# Altium PCB Archimajor.PcbDoc (part 12 of 12)
Units mm, origin at the board's own origin, x right, y up, seen from the top; angles counter-clockwise.
Board outline 190 x 140 mm, 6 copper layers (Top Layer, Top GND, Power Plane, Mid1, Bot GND, Bottom Layer), stack 1.776 mm thick; 1046 components, 682 nets, 3245 pads, 2865 vias.
Unrouted connection lines stored in the file: 97.
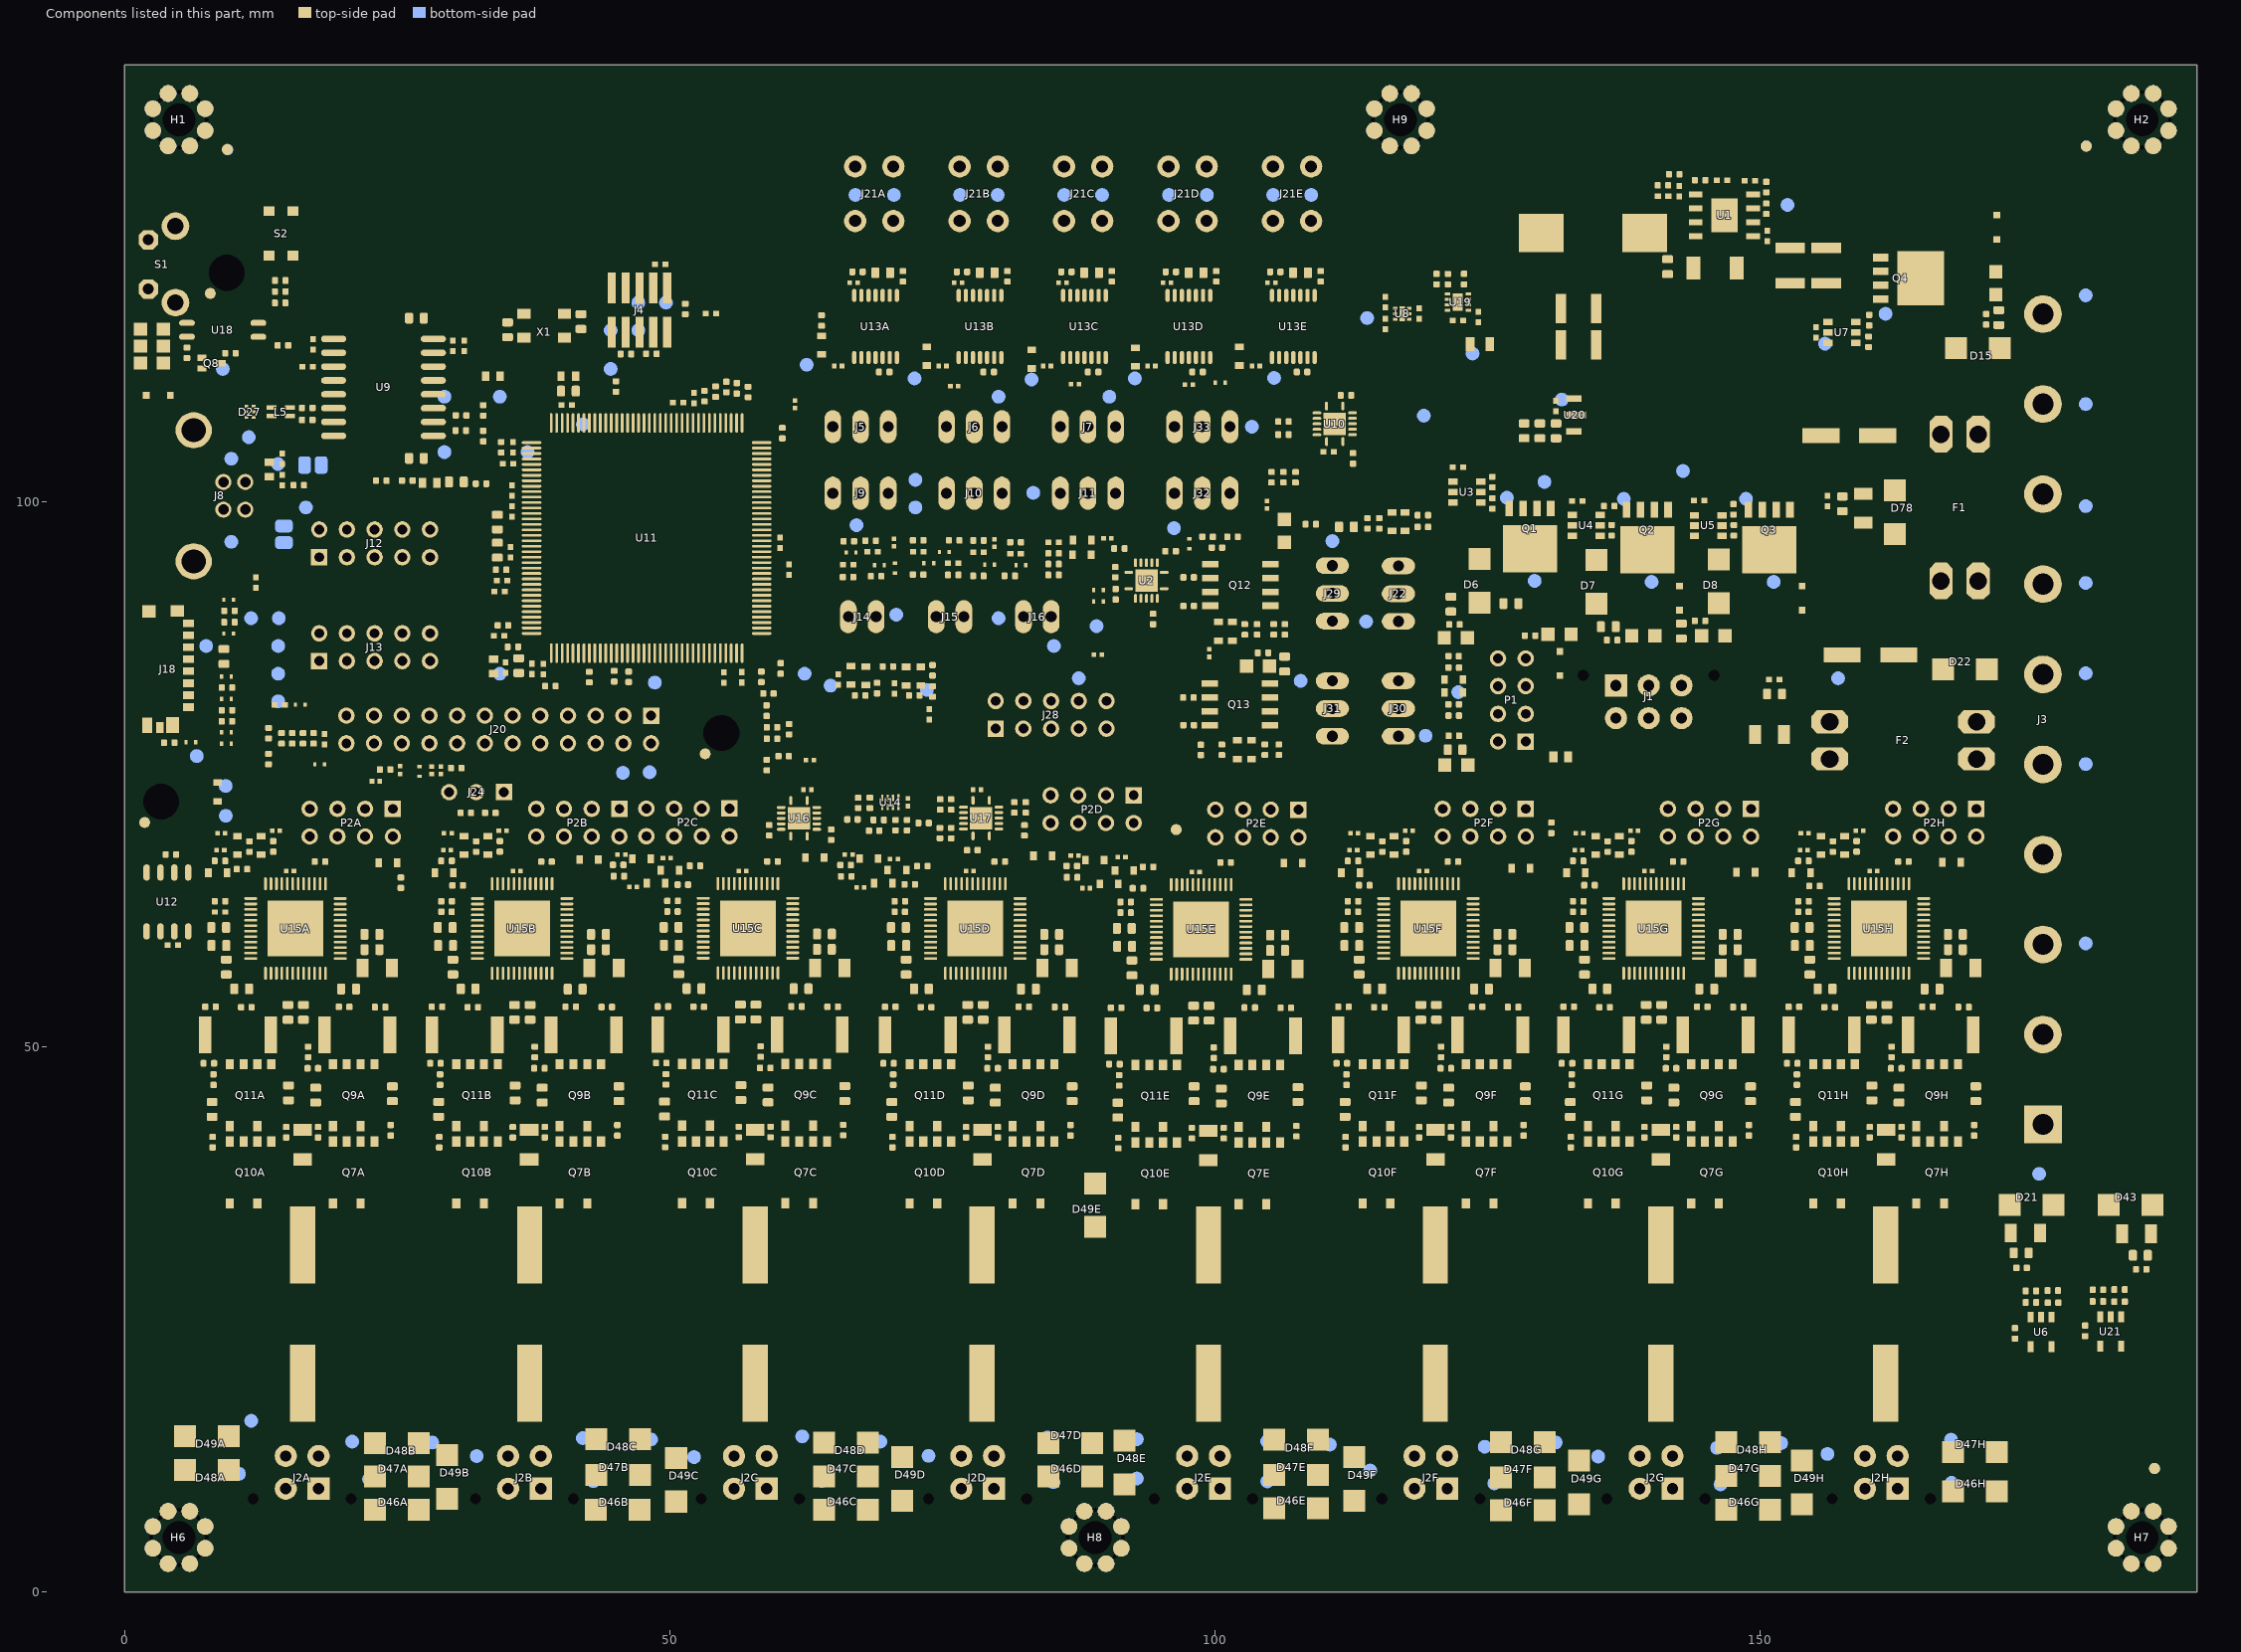
[diagram p16: the components of this part, seen from the top]

## Polygon pours and split planes (outlines as drawn) (continued)
GND on Bottom Layer "DirectConnect" (solid, remove dead copper, pour order 2656): 172.246,98.413 172.959,97.7 179.18,97.7 180.091,98.611 180.091,103.366 179.14,104.317 173.236,104.317 172.246,103.327
GND on Bottom Layer "DirectConnect" (solid, remove dead copper, pour order 2652): 172.246,48.863 172.959,48.15 179.18,48.15 180.091,49.061 180.091,53.816 179.14,54.767 173.236,54.767 172.246,53.777
GND on Bottom Layer "DirectConnect" (solid, remove dead copper, pour order 2646): 172.246,65.373 172.959,64.66 179.18,64.66 180.091,65.571 180.091,70.326 179.14,71.277 173.236,71.277 172.246,70.287
VBED_IN on Bottom Layer "NetF1_1 Fuse Top Pour" (solid, remove dead copper, pour order 2644): 162.855,93.645 162.855,90.257 163.984,89.128 180.309,89.128 181.577,90.396 181.577,95.725 180.765,96.537 164.241,96.537 162.874,95.17
GND on Bottom Layer "DirectConnect" (solid, remove dead copper, pour order 2640): 160.299,82.451 172.761,82.451 175.019,80.193 178.843,80.193 181.3,82.649 181.3,87.919 180.705,88.514 172.84,88.514 160.299,88.514
VPWR on Bottom Layer "DirectConnect" (solid, remove dead copper, pour order 2638): 18 vertices, not listed, extent 151.621,74.289 168.58,87.82
VPWR_IN on Bottom Layer "DirectConnect" (solid, remove dead copper, pour order 2636): 166.797,80.747 168.243,82.194 172.285,82.194 174.781,79.697 179.061,79.697 180.071,78.687 180.071,72.981 178.883,71.792 173.078,71.792 170.819,74.051 167.312,74.051 166.797,74.566
HTR3 on Bottom Layer "DirectConnect" (solid, remove dead copper, pour order 2603): 144.843,88.733 144.843,88.259 142.368,85.784 142.368,82.709 147.118,82.709 153.168,88.759
HTR2 on Bottom Layer "DirectConnect" (solid, remove dead copper, pour order 2605): 136.318,86.934 138.868,84.384 138.868,83.109 140.618,83.109 140.618,84.534 143.437,87.353 143.437,91.559 137.668,91.559 136.318,90.209
HTR1 on Bottom Layer "Direct Connect" (solid, remove dead copper, pour order 2602): 133.042,89.81 137.543,85.309 137.543,82.434 131.118,82.434 130.493,83.06 130.493,86.909 127.595,89.807
HTBD-OUT on Bottom Layer "DirectConnect" (solid, pour order 2332): 162.128,111.835 171.976,111.835 171.99,111.85 173.755,113.615 178.803,113.615 179.814,114.626 179.814,121.283 175.367,125.729 162.662,125.729 162.585,125.653 162.128,125.196
HTR3 on Bottom Layer "24milConnect" (solid, remove dead copper, pour order 2604): 149.431,143.283
HTR2 on Bottom Layer "DirectConnect" (solid, pour order 2334): 133.582,98.336 133.582,89.446 143.437,89.446 143.437,98.311 143.437,98.336
HTR1 on Bottom Layer "DirectConnect" (solid, pour order 2335): 122.837,98.438 122.837,87.934 133.074,87.934 133.074,98.438
SNTP on Bottom Layer "DirectConnect" (solid, pour order 2326): 109.875,108.143 109.875,105.884 112.134,105.884 112.134,108.143
OBAC on Bottom Layer "Direct Connect" (solid, remove dead copper, pour order 2572): 62.609,49.209 63.134,49.734 67.258,49.734 67.333,49.659 67.333,40.834 67.008,40.509 62.908,40.509 62.609,40.808
OBAB on Bottom Layer "Direct Connect" (solid, remove dead copper, pour order 2569): 41.901,49.185 42.426,49.71 46.55,49.71 46.625,49.635 46.625,40.81 46.3,40.485 42.2,40.485 41.901,40.784
OBBC on Bottom Layer "Direct Connect" (solid, remove dead copper, pour order 2564): 62.394,49.209 61.869,49.734 58.308,49.734 57.884,49.31 57.884,40.733 58.108,40.509 62.108,40.509 62.394,40.796
OBBB on Bottom Layer "Direct Connect" (solid, remove dead copper, pour order 2561): 41.686,49.185 41.161,49.71 37.6,49.71 37.176,49.286 37.176,40.709 37.4,40.485 41.4,40.485 41.686,40.771
OAAC on Bottom Layer "Direct Connect" (solid, remove dead copper, pour order 2556): 53.148,49.162 53.673,49.687 57.28,49.687 57.658,49.309 57.658,40.809 57.358,40.509 53.383,40.509 53.148,40.745
OAAB on Bottom Layer "Direct Connect" (solid, remove dead copper, pour order 2553): 32.44,49.138 32.965,49.663 36.572,49.663 36.95,49.285 36.95,40.785 36.65,40.485 32.675,40.485 32.44,40.72
OABC on Bottom Layer "Direct Connect" (solid, remove dead copper, pour order 2548): 52.933,49.209 52.408,49.734 47.308,49.734 46.783,49.209 46.783,40.659 46.933,40.509 52.708,40.509 52.933,40.734
OABB on Bottom Layer "Direct Connect" (solid, remove dead copper, pour order 2545): 32.225,49.185 31.7,49.71 26.6,49.71 26.075,49.185 26.075,40.635 26.225,40.485 32,40.485 32.225,40.71
OAAE on Bottom Layer "Direct Connect" (solid, remove dead copper, pour order 2555): 94.698,49.062 95.223,49.587 98.83,49.587 99.208,49.209 99.208,40.709 98.908,40.409 94.933,40.409 94.698,40.645
OBAE on Bottom Layer "Direct Connect" (solid, remove dead copper, pour order 2571): 104.159,49.109 104.684,49.634 108.808,49.634 108.883,49.559 108.883,40.734 108.558,40.409 104.458,40.409 104.159,40.708
OBAD on Bottom Layer "Direct Connect" (solid, remove dead copper, pour order 2570): 83.451,49.185 83.976,49.71 88.1,49.71 88.175,49.635 88.175,40.81 87.85,40.485 83.75,40.485 83.451,40.784
OBBE on Bottom Layer "Direct Connect" (solid, remove dead copper, pour order 2563): 103.944,49.109 103.419,49.634 99.858,49.634 99.434,49.21 99.434,40.633 99.658,40.409 103.658,40.409 103.944,40.696
OABE on Bottom Layer "Direct Connect" (solid, remove dead copper, pour order 2547): 94.483,49.109 93.958,49.634 88.858,49.634 88.333,49.109 88.333,40.559 88.483,40.409 94.258,40.409 94.483,40.634
OABD on Bottom Layer "Direct Connect" (solid, remove dead copper, pour order 2546): 73.775,49.185 73.25,49.71 68.15,49.71 67.625,49.185 67.625,40.635 67.775,40.485 73.55,40.485 73.775,40.71
OBAA on Bottom Layer "Direct Connect" (solid, remove dead copper, pour order 2576): 21.126,49.185 21.651,49.71 25.775,49.71 25.85,49.635 25.85,40.81 25.525,40.485 21.425,40.485 21.126,40.784
OABA on Bottom Layer "Direct Connect" (solid, remove dead copper, pour order 2552): 11.45,49.185 10.925,49.71 5.825,49.71 5.3,49.185 5.3,40.635 5.45,40.485 11.225,40.485 11.45,40.71
OBBA on Bottom Layer "Direct Connect" (solid, remove dead copper, pour order 2568): 20.911,49.185 20.386,49.71 16.825,49.71 16.401,49.286 16.401,40.709 16.625,40.485 20.625,40.485 20.911,40.771
OAAA on Bottom Layer "Direct Connect" (solid, remove dead copper, pour order 2560): 11.665,49.138 12.19,49.663 15.797,49.663 16.175,49.285 16.175,40.785 15.875,40.485 11.9,40.485 11.665,40.72
OABH on Bottom Layer "Direct Connect" (solid, remove dead copper, pour order 2551): 156.625,49.185 156.1,49.71 151,49.71 150.475,49.185 150.475,40.635 150.625,40.485 156.4,40.485 156.625,40.71
OBAH on Bottom Layer "Direct Connect" (solid, remove dead copper, pour order 2575): 166.301,49.185 166.826,49.71 170.95,49.71 171.025,49.635 171.025,42.678 168.832,40.485 166.6,40.485 166.301,40.784
OAAG on Bottom Layer "Direct Connect" (solid, remove dead copper, pour order 2558): 136.19,49.138 136.715,49.663 140.322,49.663 140.7,49.285 140.7,40.785 140.4,40.485 136.425,40.485 136.19,40.72
OBBG on Bottom Layer "Direct Connect" (solid, remove dead copper, pour order 2566): 145.436,49.185 144.911,49.71 141.35,49.71 140.926,49.286 140.926,40.709 141.15,40.485 145.15,40.485 145.436,40.771
OABG on Bottom Layer "Direct Connect" (solid, remove dead copper, pour order 2550): 135.975,49.185 135.45,49.71 130.35,49.71 129.825,49.185 129.825,40.635 129.975,40.485 135.75,40.485 135.975,40.71
OBAG on Bottom Layer "Direct Connect" (solid, remove dead copper, pour order 2574): 145.651,49.185 146.176,49.71 150.3,49.71 150.375,49.635 150.375,40.81 150.05,40.485 145.95,40.485 145.651,40.784
OAAF on Bottom Layer "Direct Connect" (solid, remove dead copper, pour order 2557): 115.54,49.138 116.065,49.663 119.672,49.663 120.05,49.285 120.05,40.785 119.75,40.485 115.775,40.485 115.54,40.72
OBBF on Bottom Layer "Direct Connect" (solid, remove dead copper, pour order 2565): 124.786,49.185 124.261,49.71 120.7,49.71 120.276,49.286 120.276,40.709 120.5,40.485 124.5,40.485 124.786,40.771
OABF on Bottom Layer "Direct Connect" (solid, remove dead copper, pour order 2549): 115.325,49.185 114.8,49.71 109.7,49.71 109.175,49.185 109.175,40.635 109.325,40.485 115.1,40.485 115.325,40.71
OBAF on Bottom Layer "Direct Connect" (solid, remove dead copper, pour order 2573): 125.001,49.185 125.526,49.71 129.65,49.71 129.725,49.635 129.725,40.81 129.4,40.485 125.3,40.485 125.001,40.784
OBBD on Bottom Layer "Direct Connect" (solid, remove dead copper, pour order 2562): 83.236,49.185 82.711,49.71 79.15,49.71 78.726,49.286 78.726,40.709 78.95,40.485 82.95,40.485 83.236,40.771
OAAD on Bottom Layer "Direct Connect" (solid, remove dead copper, pour order 2554): 73.99,49.138 74.515,49.663 78.122,49.663 78.5,49.285 78.5,40.785 78.2,40.485 74.225,40.485 73.99,40.72
OBAA on Bottom Layer "Direct Connect" (solid, remove dead copper, pour order 2544): 275.538,118.794
HTR3 on Bottom Layer "DirectConnect" (solid, pour order 2333): 154.587,98.336 149.355,98.336 147.958,99.733 144.783,99.733 144.783,88.109 154.587,88.109
GND on Bottom Layer "DirectConnect" (solid, pour order 2340): 153.236,98.489 149.609,98.489 149.609,100.724 153.236,100.724
GND on Bottom Layer "DirectConnect" (solid, pour order 2338): 131.854,98.641 127.663,98.641 127.663,100.876 131.88,100.876 131.88,98.641
GND on Bottom Layer "DirectConnect" (solid, pour order 2339): 142.066,98.488 138.408,98.488 138.408,100.724 142.066,100.724
GND on Bottom Layer "DirectConnect" (solid, pour order 2336): 161.807,125.123 159.496,125.123 159.496,119.112 161.807,119.112
HTBD-OUT on Mid1 "12milConnect" (solid, remove dead copper, pour order 2688): 172.789,113.635 178.823,113.635 179.768,114.58 179.768,121.273 175.337,125.704 172.818,125.704
VPWR on Mid1 "DirectConnect" (solid, remove dead copper, pour order 2686): 18 vertices, not listed, extent 151.621,74.289 168.58,87.82
GND on Mid1 "DirectConnect" (solid, remove dead copper, pour order 2684): 160.299,82.451 172.761,82.451 175.019,80.193 178.843,80.193 181.3,82.649 181.3,87.919 180.705,88.514 172.84,88.514 160.299,88.514
VPWR_IN on Mid1 "DirectConnect" (solid, remove dead copper, pour order 2682): 166.797,80.747 168.243,82.194 172.285,82.194 174.781,79.697 179.061,79.697 180.071,78.687 180.071,72.981 178.883,71.792 173.078,71.792 170.819,74.051 167.312,74.051 166.797,74.566
VBED_IN on Mid1 "NetF1_1 Fuse Top Pour" (solid, remove dead copper, pour order 2680): 162.855,93.645 162.855,90.257 163.984,89.128 180.309,89.128 181.577,90.396 181.577,95.725 180.765,96.537 164.241,96.537 162.874,95.17
GND on Mid1 "DirectConnect" (solid, remove dead copper, pour order 2676): 172.463,98.096 172.86,97.7 179.457,97.7 180.091,98.334 180.091,103.782 179.398,104.476 172.84,104.476 172.463,104.099
VBED on Mid1 "DirectConnect" (solid, remove dead copper, pour order 2674): 18 vertices, not listed, extent 155.584,100.123 180.289,112.724
GND on Mid1 "DirectConnect" (solid, remove dead copper, pour order 2672): 155.623,99.549 155.881,99.806 164.44,99.806 166.896,102.263 170.779,102.263 172.582,104.066 172.82,103.828 172.82,98.677 173.414,98.083 173.414,97.845 172.701,97.132 164.241,97.132 162.815,95.705 159.031,95.705 155.623,99.113
VPWR on Mid1 "12milConnect" (solid, remove dead copper, pour order 2609): 107.967,131.119
HTBD-OUT on Mid1 "DirectConnect" (solid, pour order 2353): 162.585,125.704 162.585,124.637 162.585,117.4 162.277,116.992 162.277,111.861 173.018,111.861 173.018,125.704 163.22,125.704
OABD on Mid1 "Direct Connect" (solid, remove dead copper, pour order 2499): 52.858,46.772 52.508,47.122 50.683,47.122 50.333,46.772 50.333,42.872 50.608,42.597 52.708,42.597 52.858,42.747
OBAD on Mid1 "Direct Connect" (solid, remove dead copper, pour order 2491): 65.158,46.784 64.808,47.134 62.983,47.134 62.633,46.784 62.633,42.884 62.908,42.609 65.008,42.609 65.158,42.759
OBAD on Mid1 "Direct Connect" (solid, remove dead copper, pour order 2490): 106.708,46.684 106.358,47.034 104.533,47.034 104.183,46.684 104.183,42.784 104.458,42.509 106.558,42.509 106.708,42.659
OABD on Mid1 "Direct Connect" (solid, remove dead copper, pour order 2498): 94.408,46.672 94.058,47.022 92.233,47.022 91.883,46.672 91.883,42.772 92.158,42.497 94.258,42.497 94.408,42.647
OABA on Mid1 "Direct Connect" (solid, remove dead copper, pour order 2503): 11.375,46.747 11.025,47.097 9.2,47.097 8.85,46.747 8.85,42.847 9.125,42.572 11.225,42.572 11.375,42.722
OBAA on Mid1 "Direct Connect" (solid, remove dead copper, pour order 2495): 23.675,46.76 23.325,47.11 21.5,47.11 21.15,46.76 21.15,42.86 21.425,42.585 23.525,42.585 23.675,42.735
OBAH on Mid1 "Direct Connect" (solid, remove dead copper, pour order 2494): 168.85,46.76 168.5,47.11 166.675,47.11 166.325,46.76 166.325,42.86 166.6,42.585 168.7,42.585 168.85,42.735
OABH on Mid1 "Direct Connect" (solid, remove dead copper, pour order 2502): 156.55,46.747 156.2,47.097 154.375,47.097 154.025,46.747 154.025,42.847 154.3,42.572 156.4,42.572 156.55,42.722
OBAG on Mid1 "Direct Connect" (solid, remove dead copper, pour order 2493): 148.2,46.76 147.85,47.11 146.025,47.11 145.675,46.76 145.675,42.86 145.95,42.585 148.05,42.585 148.2,42.735
OABG on Mid1 "Direct Connect" (solid, remove dead copper, pour order 2501): 135.9,46.747 135.55,47.097 133.725,47.097 133.375,46.747 133.375,42.847 133.65,42.572 135.75,42.572 135.9,42.722
OBAF on Mid1 "Direct Connect" (solid, remove dead copper, pour order 2492): 127.55,46.76 127.2,47.11 125.375,47.11 125.025,46.76 125.025,42.86 125.3,42.585 127.4,42.585 127.55,42.735
OABF on Mid1 "Direct Connect" (solid, remove dead copper, pour order 2500): 115.25,46.747 114.9,47.097 113.075,47.097 112.725,46.747 112.725,42.847 113,42.572 115.1,42.572 115.25,42.722
OABD on Mid1 "Direct Connect" (solid, remove dead copper, pour order 2497): 73.7,46.747 73.35,47.097 71.525,47.097 71.175,46.747 71.175,42.847 71.45,42.572 73.55,42.572 73.7,42.722
OBAD on Mid1 "Direct Connect" (solid, remove dead copper, pour order 2489): 86,46.76 85.65,47.11 83.825,47.11 83.475,46.76 83.475,42.86 83.75,42.585 85.85,42.585 86,42.735
OBAB on Mid1 "Direct Connect" (solid, remove dead copper, pour order 2488): 44.45,46.76 44.1,47.11 42.275,47.11 41.925,46.76 41.925,42.86 42.2,42.585 44.3,42.585 44.45,42.735
OABB on Mid1 "Direct Connect" (solid, remove dead copper, pour order 2496): 32.15,46.747 31.8,47.097 29.975,47.097 29.625,46.747 29.625,42.847 29.9,42.572 32,42.572 32.15,42.722
no net on Mid1 "Direct Connect" (solid, remove dead copper, pour order 2374): 130.359,175.108
no net on Mid1 "Direct Connect" (solid, remove dead copper, pour order 2373): 151.009,175.108
no net on Mid1 "Direct Connect" (solid, remove dead copper, pour order 2372): 171.659,175.108
no net on Mid1 "Direct Connect" (solid, remove dead copper, pour order 2371): 192.309,175.108
no net on Mid1 "Direct Connect" (solid, remove dead copper, pour order 2370): 210.035,101.558
no net on Mid1 "Direct Connect" (solid, remove dead copper, pour order 2369): 230.685,101.558
no net on Mid1 "Direct Connect" (solid, remove dead copper, pour order 2368): 251.335,101.558
HTR3 on Mid1 "DirectConnect" (solid, pour order 2352): 154.587,98.209 148.009,98.209 148.009,99.708 144.808,99.708 144.808,92.037 147.593,92.037 147.593,88.084 154.587,88.084
no net on Mid1 "Direct Connect" (solid, remove dead copper, pour order 2482): 253.672,86.979
no net on Mid1 "Direct Connect" (solid, remove dead copper, pour order 2391): 176.037,139.57
no net on Mid1 "Direct Connect" (solid, remove dead copper, pour order 2367): 271.985,101.558
HTR2 on Mid1 "DirectConnect" (solid, pour order 2351): 143.437,98.209 133.582,98.209 133.582,91.884 136.568,91.884 136.568,87.909 143.437,87.909 143.437,98.234
HTR1 on Mid1 "DirectConnect" (solid, pour order 2350): 131.854,98.311 122.837,98.311 122.837,92.088 125.868,92.088 125.868,87.934 133.074,87.934 133.074,95.847 131.854,95.847
no net on Top Overlay "Logo" (solid): 17 vertices, not listed, extent 20.374,131.781 22.942,134.356
GND on Top GND (split plane): 151 vertices, not listed, extent 0.256,0.256 189.744,139.744
USB_GND on Top GND (split plane): 21.765,116.37 21.765,104.183 20.444,102.861 13.56,95.978 11.756,94.173 2.245,94.173 2.245,110.552 9.572,110.552 9.638,110.561 9.7,110.586 9.753,110.627 12.522,113.396 16.46,117.334 20.801,117.334
HTR2 on Top GND (split plane): 142.167,93.527 137.028,93.527 137.028,98.194 142.167,98.194
HTR1 on Top GND (split plane): 131.41,93.628 126.272,93.628 126.272,98.296 131.41,98.296
HTR3 on Top GND (split plane): 153.343,93.527 148.204,93.527 148.204,98.194 153.343,98.194
OABA on Power Plane (split plane): 41 vertices, not listed, extent 6.755,7.89 16.182,47.131
GND on Power Plane (split plane): 41.996,19.135 36.675,13.814 32.13,18.359 32.13,28.267 41.996,28.267
GND on Power Plane (split plane): 21.221,18.832 16.305,13.916 11.355,18.867 11.355,27.95 21.221,27.95
OBAA on Power Plane (split plane): 50 vertices, not listed, extent 16.389,7.929 25.821,47.131
VMOT1 on Power Plane (split plane): 117 vertices, not listed, extent 5.514,28.157 25.821,64.299
OBAB on Power Plane (split plane): 49 vertices, not listed, extent 36.779,7.989 46.596,47.131
OABB on Power Plane (split plane): 43 vertices, not listed, extent 27.53,8.009 36.571,47.131
GND on Power Plane (split plane): 62.704,18.928 57.486,13.71 57.486,13.722 57.479,13.762 57.456,13.796 52.837,18.414 52.837,27.99 62.704,27.99
OABD on Power Plane (split plane): 44 vertices, not listed, extent 69.08,7.969 78.121,47.131
GND on Power Plane (split plane): 83.546,19.329 78.225,14.008 73.68,18.553 73.68,28.208 83.546,28.208
GND on Power Plane (split plane): 273 vertices, not listed, extent 1.526,1.526 188.474,57.373
OABC on Power Plane (split plane): 44 vertices, not listed, extent 48.237,8.009 57.279,47.156
OBAC on Power Plane (split plane): 49 vertices, not listed, extent 57.486,7.935 67.304,47.156
OBAD on Power Plane (split plane): 49 vertices, not listed, extent 78.329,7.969 88.146,47.131
OAAA on Power Plane (split plane): 14.372,47.042 14.372,42.878 14.196,42.701 11.642,42.701 11.642,47.131 14.283,47.131
OBBA on Power Plane (split plane): 20.934,42.435 18.646,42.435 18.204,42.878 18.204,47.042 18.293,47.131 20.934,47.131
OAAB on Power Plane (split plane): 35.147,47.042 35.147,42.878 34.971,42.701 32.417,42.701 32.417,47.131 35.058,47.131
VMOT1 on Power Plane (split plane): 113 vertices, not listed, extent 26.15,28.474 46.596,64.299
VDDOUT on Power Plane (split plane): 56 vertices, not listed, extent 38.127,86.136 58.292,112.796
OBBB on Power Plane (split plane): 41.709,42.435 39.421,42.435 38.979,42.878 38.979,47.042 39.068,47.131 41.709,47.131
OAAC on Power Plane (split plane): 55.855,47.066 55.855,42.902 55.678,42.725 53.125,42.725 53.125,47.156 55.766,47.156
OBBC on Power Plane (split plane): 62.417,42.416 60.173,42.416 59.686,42.902 59.686,47.066 59.776,47.156 62.417,47.156
OBBD on Power Plane (split plane): 83.259,42.46 83.267,42.42 83.27,42.416 80.991,42.416 80.529,42.878 80.529,47.042 80.618,47.131 83.259,47.131
OAAD on Power Plane (split plane): 76.697,47.042 76.697,42.878 76.521,42.701 73.967,42.701 73.967,47.131 76.608,47.131
3.3VCC on Power Plane (split plane): 333 vertices, not listed, extent 1.526,57.58 171.664,138.474
3.3VIO on Power Plane (split plane): 136 vertices, not listed, extent 32.585,82.389 61.764,116.234
VMOT1 on Power Plane (split plane): 112 vertices, not listed, extent 46.997,28.197 67.304,64.323
VMOT1 on Power Plane (split plane): 121 vertices, not listed, extent 67.656,28.415 88.146,64.299
GND on Power Plane (split plane): 104.254,19.11 98.951,13.807 94.387,18.37 94.387,27.93 104.254,27.93
OBAE on Power Plane (split plane): 49 vertices, not listed, extent 99.036,7.89 108.854,47.056
GND on Power Plane (split plane): 125.096,19.051 119.833,13.787 115.23,18.39 115.23,28.049 125.096,28.049
OABF on Power Plane (split plane): 44 vertices, not listed, extent 110.63,7.791 119.671,47.131
OABE on Power Plane (split plane): 41 vertices, not listed, extent 89.787,7.89 98.829,47.056
OBAF on Power Plane (split plane): 49 vertices, not listed, extent 119.879,7.791 129.696,47.131
OABG on Power Plane (split plane): 41 vertices, not listed, extent 131.28,7.989 140.322,47.131
GND on Power Plane (split plane): 145.747,19.18 140.425,13.859 135.88,18.404 135.88,27.891 145.747,27.891
OBAG on Power Plane (split plane): 49 vertices, not listed, extent 140.529,8.028 150.347,47.131
GND on Power Plane (split plane): 166.397,18.996 161.075,13.674 156.53,18.22 156.53,28.148 166.397,28.148
VPWR on Power Plane (split plane): 41 vertices, not listed, extent 122.773,19.957 188.474,138.474
VMOT2 on Power Plane (split plane): 114 vertices, not listed, extent 130.039,28.098 150.347,64.299
OABH on Power Plane (split plane): 44 vertices, not listed, extent 151.93,7.949 160.972,47.131
OBAH on Power Plane (split plane): 52 vertices, not listed, extent 161.179,7.989 170.997,47.131
OAAE on Power Plane (split plane): 97.405,46.966 97.405,42.802 97.228,42.625 94.675,42.625 94.675,47.056 97.316,47.056
OBBE on Power Plane (split plane): 103.967,42.317 101.722,42.317 101.236,42.802 101.236,46.966 101.326,47.056 103.967,47.056
OAAF on Power Plane (split plane): 118.247,47.042 118.247,42.878 118.071,42.701 115.517,42.701 115.517,47.131 118.158,47.131
VMOT2 on Power Plane (split plane): 117 vertices, not listed, extent 88.547,28.138 108.854,64.223
VMOT2 on Power Plane (split plane): 113 vertices, not listed, extent 109.242,28.256 129.696,64.299
OBBF on Power Plane (split plane): 124.809,42.455 122.501,42.455 122.079,42.878 122.079,47.042 122.168,47.131 124.809,47.131
HTR1 on Power Plane (split plane): 131.41,93.628 126.272,93.628 126.272,98.296 131.41,98.296
OBBG on Power Plane (split plane): 145.459,42.416 143.191,42.416 142.729,42.878 142.729,47.042 142.818,47.131 145.459,47.131
OAAG on Power Plane (split plane): 138.898,47.042 138.898,42.878 138.721,42.701 136.167,42.701 136.167,47.131 138.808,47.131
OBBH on Power Plane (split plane): 166.109,42.445 166.111,42.435 163.821,42.435 163.379,42.878 163.379,47.042 163.468,47.131 166.109,47.131
OAAH on Power Plane (split plane): 159.548,47.042 159.548,42.878 159.371,42.701 156.817,42.701 156.817,47.131 159.458,47.131
HTR2 on Power Plane (split plane): 142.167,93.527 137.028,93.527 137.028,98.194 142.167,98.194
HTR3 on Power Plane (split plane): 153.343,93.527 148.204,93.527 148.204,98.194 153.343,98.194
VMOT2 on Power Plane (split plane): 118 vertices, not listed, extent 150.689,28.356 170.997,64.299
HTBD-OUT on Power Plane (split plane): 171.244,113.557 171.244,112.529 162.249,112.529 162.249,117.092 162.424,117.267 162.465,117.32 162.49,117.382 162.499,117.448 162.499,125.58 171.244,125.58
GND on Bot GND (split plane): 44 vertices, not listed, extent 0.51,0.51 189.49,139.49
USB_GND on Bot GND (split plane): 21.765,116.37 21.765,104.183 20.444,102.861 13.56,95.978 11.59,94.008 2.237,94.008 2.237,110.552 9.572,110.552 9.638,110.561 9.7,110.586 9.753,110.627 12.522,113.396 16.46,117.334 20.801,117.334
HTR1 on Bot GND (split plane): 131.41,93.628 126.272,93.628 126.272,98.296 131.41,98.296
HTR2 on Bot GND (split plane): 142.167,93.527 137.028,93.527 137.028,98.194 142.167,98.194
HTR3 on Bot GND (split plane): 153.343,93.527 148.204,93.527 148.204,98.194 153.343,98.194
HTBD-OUT on Bot GND (split plane): 172.743,124.344 172.743,115.107 172.743,112.549 162.232,112.549 162.232,117.089 162.574,117.431 162.615,117.484 162.64,117.546 162.649,117.612 162.649,124.148 162.649,125.267 172.743,125.267

## Other copper
Top Layer:
  rectangle net GND: 12.448,57.601 18.898,64.001
  rectangle net GND: 33.223,57.601 39.673,64.001
  rectangle net GND: 53.93,57.625 60.38,64.025
  rectangle net GND: 74.773,57.601 81.223,64.001
  rectangle net GND: 95.48,57.525 101.93,63.925
  rectangle net GND: 116.323,57.601 122.773,64.001
  rectangle net GND: 136.973,57.601 143.423,64.001
  rectangle net GND: 157.623,57.601 164.073,64.001
  region net +5VCC: 122.757,115.366 123.15,114.973 123.745,114.973 123.745,113.516 120.75,113.516 120.75,115.366
  region net GND: 137.242,106.081 137.242,109.881 134.167,109.881 134.167,106.081
  pour cut-out: 1.275,89.106 1.275,80.656 4.925,80.656 4.925,89.106
Bottom Layer:
  rectangle net SNTP1: 92.773,91.89 94.557,93.594
Bot GND (plane layer: these items are gaps in the copper):
  rectangle: 62.817,117.107 111.941,140.368
  lines w0.508: 62.843,117.361 62.843,134.328 ; 73.489,118.527 73.489,134.353 ; 83.114,118.457 83.114,134.328 ; 92.423,117.785 92.423,133.656 ; 102.073,117.785 102.073,133.655 ; 111.966,117.361 112.017,117.411 112.015,134.329 ; 1.981,93.751 11.696,93.751 13.741,95.797 20.625,102.68 22.021,104.077 22.021,116.476 20.907,117.59 16.942,117.59 16.354,117.59 12.34,113.577 9.572,110.808 1.981,110.808 1.981,93.751 ; 126.015,93.372 131.666,93.372 131.666,98.552 126.015,98.552 126.015,93.372 ; 136.772,93.27 142.423,93.27 142.423,98.45 136.772,98.45 136.772,93.27 ; 147.948,93.271 153.599,93.271 153.599,98.45 147.948,98.45 147.948,93.271 ; 161.976,112.293 172.999,112.293 172.999,115.107 172.999,124.344 172.999,125.523 162.393,125.523 162.393,124.148 162.393,117.612 161.976,117.195 161.976,112.293
Power Plane (plane layer: these items are gaps in the copper):
  rectangle: 62.844,133.216 111.878,140.21
  lines w0.203: 0.04,57.476 6.843,57.476 ; 11.25,30.249 11.25,28.054 21.325,28.054 21.325,18.789 16.285,13.75 16.285,8.4 16.86,7.826 19.198,7.826 25.925,14.553 25.925,23.085 25.925,61.385 25.146,62.164 23.025,64.285 22.908,64.402 11.481,64.402 10.679,63.601 9.133,63.601 8.661,64.072 6.843,64.072 6.843,50.519 5.41,49.086 5.41,48.781 5.41,42.8 6.651,41.559 ; 11.538,47.235 11.538,42.597 ; 21.037,42.435 21.037,47.235 ; 21.336,27.677 21.336,32.549 21.337,32.547 23.1,34.31 23.1,39.685 23.1,40.535 21.175,42.46 21.047,42.332 18.603,42.332 18.1,42.835 18.1,47.085 18.25,47.235 23.825,47.235 23.95,47.11 23.95,44.41 23.8,44.26 23.8,43.06 24.175,42.685 25.925,42.685 ; 32.025,30.249 32.025,28.456 32.11,28.371 42.1,28.371 42.1,19.092 36.675,13.667 ; 32.313,47.235 32.313,42.597 ; 36.675,13.624 36.675,8.403 36.177,7.905 34.017,7.905 27.426,14.496 27.426,41.559 ; 41.812,42.435 41.812,47.235 ; 42.111,27.598 42.111,32.549 42.112,32.547 43.875,34.31 43.875,39.685 43.875,40.535 41.95,42.46 41.822,42.332 39.378,42.332 38.875,42.835 38.875,47.085 39.025,47.235 44.6,47.235 44.725,47.11 44.725,44.41 44.575,44.26 44.575,43.06 44.95,42.685 46.7,42.685 ; 52.733,30.273 52.733,28.093 62.808,28.093 62.808,18.885 57.383,13.46 57.383,8.447 56.841,7.905 54.701,7.905 48.134,14.472 48.134,41.583 ; 53.021,47.259 53.021,42.622 ; 62.52,42.398 62.52,47.259 ; 62.819,27.341 62.819,32.573 62.82,32.572 64.583,34.334 64.583,39.709 64.583,40.559 62.658,42.484 62.486,42.312 60.13,42.312 59.583,42.859 59.583,47.109 59.733,47.259 65.308,47.259 65.433,47.134 65.433,44.434 65.283,44.284 65.283,43.084 65.658,42.709 67.408,42.709 ; 73.575,30.249 73.575,28.311 83.65,28.311 83.65,19.286 78.225,13.861 ; 73.863,47.235 73.863,42.597 ; 83.362,42.46 83.362,47.235 ; 83.661,27.36 83.661,32.549 83.662,32.547 85.425,34.31 85.425,39.685 85.425,40.535 83.5,42.46 83.352,42.312 80.948,42.312 80.425,42.835 80.425,47.085 80.575,47.235 86.15,47.235 86.275,47.11 86.275,44.41 86.125,44.26 86.125,43.06 86.5,42.685 88.25,42.685 ; 94.283,30.173 94.283,28.034 104.358,28.034 104.358,19.067 98.933,13.642 98.933,8.202 99.349,7.786 101.576,7.786 108.958,15.168 108.958,23.009 108.958,61.309 108.179,62.088 106.058,64.209 105.94,64.327 94.514,64.327 93.988,63.801 91.273,63.801 91.077,63.997 89.94,63.997 89.434,63.491 89.434,62.417 88.443,61.426 88.443,48.706 88.443,42.724 89.684,41.483 ; 94.571,47.159 94.571,42.522 ; 104.07,42.317 104.07,47.159 ; 104.369,28.054 104.369,32.473 104.37,32.472 106.133,34.234 106.133,39.609 106.133,40.459 104.208,42.384 104.036,42.213 101.679,42.213 101.133,42.759 101.133,47.009 101.283,47.159 106.858,47.159 106.983,47.034 106.983,44.334 106.833,44.184 106.833,42.984 107.208,42.609 108.958,42.609 ; 115.125,30.249 115.125,28.153 125.2,28.153 125.2,19.008 119.775,13.583 119.775,8.389 120.477,7.687 122.319,7.687 129.8,15.168 129.8,23.085 129.8,61.385 129.021,62.164 126.9,64.285 126.783,64.402 115.356,64.402 115.026,64.072 112.536,64.072 110.819,64.072 110.276,63.529 110.276,62.479 109.138,61.341 109.138,48.634 109.138,42.947 110.526,41.559 ; 115.413,47.235 115.413,42.597 ; 124.912,42.352 124.912,47.235 ; 125.211,28.074 125.211,32.549 125.212,32.547 126.975,34.31 126.975,39.685 126.975,40.535 125.05,42.46 124.942,42.352 122.458,42.352 121.975,42.835 121.975,47.085 122.125,47.235 127.7,47.235 127.825,47.11 127.825,44.41 127.675,44.26 127.675,43.06 128.05,42.685 129.8,42.685 ; 135.775,30.249 135.775,27.994 145.85,27.994 145.85,19.137 140.425,13.712 ; 136.064,47.235 136.064,42.597 ; 145.563,42.371 145.563,47.235 ; 145.861,27.816 145.861,32.549 145.863,32.547 147.625,34.31 147.625,39.685 147.625,40.535 145.7,42.46 145.552,42.312 143.148,42.312 142.625,42.835 142.625,47.085 142.775,47.235 148.35,47.235 148.475,47.11 148.475,44.41 148.325,44.26 148.325,43.06 148.7,42.685 150.45,42.685 ; 156.425,30.249 156.425,28.252 166.5,28.252 166.5,18.953 161.075,13.528 ; 156.714,47.235 156.714,42.597 ; 166.213,47.235 166.213,42.445 166.274,42.384 166.35,42.46 168.275,40.535 168.275,39.685 168.275,34.31 166.513,32.547 166.511,32.549 166.511,28.113 ; 166.222,42.332 163.779,42.332 163.275,42.835 163.275,47.085 163.425,47.235 169,47.235 169.125,47.11 169.125,44.41 168.975,44.26 168.975,43.06 169.35,42.685 171.1,42.685 ; 171.1,20.96 172.207,19.853 189.875,19.853 ; 6.651,41.559 6.949,41.559 8.626,43.236 8.626,47.11 8.751,47.235 14.326,47.235 14.476,47.085 14.476,42.835 14.238,42.597 11.538,42.597 ; 6.651,41.559 6.651,14.726 13.591,7.786 15.453,7.786 16.305,8.638 16.305,13.769 11.251,18.824 11.251,31.809 9.476,33.584 9.476,39.685 9.476,40.535 11.401,42.46 11.538,42.597 ; 27.426,41.559 26.047,42.938 26.047,48.643 26.047,61.326 27.176,62.455 27.176,63.404 27.844,64.072 29.436,64.072 31.394,64.072 31.724,64.402 43.683,64.402 43.8,64.285 45.921,62.164 46.7,61.385 46.7,23.085 46.7,15.1 39.485,7.885 37.207,7.885 36.675,8.417 36.675,13.667 ; 27.426,41.559 27.724,41.559 29.401,43.236 29.401,47.11 29.526,47.235 35.101,47.235 35.251,47.085 35.251,42.835 35.013,42.597 32.313,42.597 ; 32.313,42.597 32.176,42.46 30.251,40.535 30.251,39.685 30.251,33.584 32.026,31.809 32.026,18.316 36.675,13.667 ; 48.134,41.583 46.893,42.824 46.893,48.806 46.893,61.42 47.884,62.41 47.884,63.305 48.675,64.097 50.144,64.097 52.633,64.097 52.964,64.427 64.39,64.427 64.508,64.309 66.629,62.188 67.408,61.409 67.408,23.109 67.408,15.144 60.096,7.832 58.004,7.832 57.383,8.452 57.383,13.722 52.734,18.371 52.734,31.833 50.959,33.608 50.959,39.709 50.959,40.559 52.884,42.484 53.021,42.622 ; 48.134,41.583 48.432,41.583 50.109,43.26 50.109,47.134 50.234,47.259 55.809,47.259 55.959,47.109 55.959,42.859 55.721,42.622 53.021,42.622 ; 68.976,41.559 67.553,42.982 67.553,48.599 67.553,61.256 68.726,62.429 68.726,63.254 69.544,64.072 70.477,64.072 70.723,63.826 73.229,63.826 73.806,64.402 85.233,64.402 85.35,64.285 87.471,62.164 88.25,61.385 88.25,23.085 88.25,14.946 81.17,7.865 78.713,7.865 78.225,8.353 78.225,13.861 ; 68.976,41.559 68.976,14.433 75.543,7.865 77.782,7.865 78.225,8.308 78.225,13.861 ; 68.976,41.559 69.274,41.559 70.951,43.236 70.951,47.11 71.076,47.235 76.651,47.235 76.801,47.085 76.801,42.835 76.563,42.597 73.863,42.597 ; 73.863,42.597 73.726,42.46 71.801,40.535 71.801,39.685 71.801,33.584 73.576,31.809 73.576,18.51 78.225,13.861 ; 89.684,41.483 89.684,14.428 96.326,7.786 98.545,7.786 98.933,8.174 98.933,13.679 94.284,18.328 94.284,31.733 92.509,33.508 92.509,39.609 92.509,40.459 94.434,42.384 94.571,42.522 ; 89.684,41.483 89.982,41.483 91.659,43.16 91.659,47.034 91.784,47.159 97.359,47.159 97.509,47.009 97.509,42.759 97.271,42.522 94.571,42.522 ; 110.526,41.559 110.526,14.151 116.99,7.687 119.03,7.687 119.775,8.432 119.775,13.698 115.126,18.347 115.126,31.809 113.351,33.584 113.351,39.685 113.351,40.535 115.276,42.46 115.413,42.597 ; 110.526,41.559 110.824,41.559 112.501,43.236 112.501,47.11 112.626,47.235 118.201,47.235 118.351,47.085 118.351,42.835 118.113,42.597 115.413,42.597 ; 131.176,41.559 129.935,42.8 129.935,48.781 129.935,61.39 130.926,62.381 130.926,63.429 131.569,64.072 133.187,64.072 135.676,64.072 136.006,64.402 147.433,64.402 147.55,64.285 149.671,62.164 150.45,61.385 150.45,23.085 150.45,15.114 143.261,7.925 141.022,7.925 140.425,8.521 140.425,13.712 ; 131.176,41.559 131.176,14.422 137.713,7.885 139.754,7.885 140.425,8.557 140.425,13.712 ; 131.176,41.559 131.474,41.559 133.151,43.236 133.151,47.11 133.276,47.235 138.851,47.235 139.001,47.085 139.001,42.835 138.764,42.597 136.064,42.597 ; 136.064,42.597 135.926,42.46 134.001,40.535 134.001,39.685 134.001,33.584 135.776,31.809 135.776,18.361 140.425,13.712 ; 151.826,41.559 150.586,42.8 150.586,48.781 150.586,61.417 151.576,62.407 151.576,63.529 152.248,64.201 153.708,64.201 156.455,64.201 156.656,64.402 168.083,64.402 168.2,64.285 170.321,62.164 171.1,61.385 171.1,23.085 171.1,15.259 163.726,7.885 161.591,7.885 161.075,8.401 161.075,13.528 ; 151.826,41.559 151.826,14.436 158.417,7.846 160.576,7.846 161.075,8.345 161.075,13.528 ; 151.826,41.559 152.124,41.559 153.801,43.236 153.801,47.11 153.926,47.235 159.501,47.235 159.651,47.085 159.651,42.835 159.414,42.597 156.714,42.597 ; 156.714,42.597 156.576,42.46 154.651,40.535 154.651,39.685 154.651,33.584 156.426,31.809 156.426,18.177 161.075,13.528
  lines w0.254: 0.254,98.413 0.254,104.382
  lines w0.305: 32.431,91.763 32.431,85.6 33.785,85.6 33.785,82.235 51.069,82.235 51.2,82.366 56.816,82.366 56.816,85.967 ; 32.583,91.89 33.68,91.89 33.68,99.091 35.427,99.091 35.427,100.766 33.68,100.766 33.68,116.387 45.884,116.387 ; 40.582,107.19 39.683,107.19 39.683,103.564 37.983,103.564 37.973,103.574 37.973,85.983 58.446,85.983 58.446,89.831 ; 40.6,107.21 40.6,112.95 43.36,112.95 43.85,112.46 43.85,106.516 53.819,106.516 54.925,105.41 54.925,98.152 58.263,94.814 58.421,94.814 59.251,93.984 61.918,93.984 61.918,95.359 60.543,96.734 60.543,98.284 58.875,99.952 58.875,109.46 57.733,110.602 54.47,110.602 54.47,111.608 52.503,111.608 50.634,111.608 50.081,111.055 47.019,111.055 45.884,112.19 45.884,117.387 ; 58.421,94.735 43.65,94.735 42.075,93.16 42.075,90.66 42.9,89.835 58.45,89.835
  lines w0.406: 123.052,140.348 123.052,122.475 126.084,119.444 126.084,106.644 122.568,103.128 122.568,76.162 125.036,73.694 170.385,73.694 171.869,72.21 171.869,62.154 171.1,61.385
  lines w0.508: 62.815,115.862 62.815,140.17 ; 73.411,118.178 73.411,140.368 ; 83.036,118.078 83.036,140.269 ; 92.586,118.123 92.586,140.328 ; 102.236,118.123 102.236,140.19 ; 111.749,116.612 111.749,140.17 ; 136.772,93.27 142.423,93.27 ; 136.772,93.27 136.772,98.45 ; 136.772,93.27 142.423,93.27 ; 136.772,93.27 136.772,98.45 ; 136.772,98.45 142.423,98.45 ; 136.772,98.45 142.423,98.45 ; 142.423,93.27 142.423,98.45 ; 142.423,93.27 142.423,98.45 ; 126.015,93.372 126.015,98.552 131.666,98.552 131.666,93.372 126.015,93.372 ; 147.948,93.271 153.599,93.271 153.599,98.45 147.948,98.45 147.948,93.271 ; 161.993,112.273 161.993,117.198 162.243,117.448 162.243,125.836 171.5,125.836 171.5,113.557 171.5,112.273 161.993,112.273
Top GND (plane layer: these items are gaps in the copper):
  circle w0.965: c11.379,105.893 r0.163
  circle w0.965: c9.804,103.886 r0.163
  rectangle: 62.844,133.216 111.878,140.21
  lines w0.508: 1.988,110.781 1.988,93.917 11.862,93.917 13.741,95.797 20.625,102.68 22.021,104.077 22.021,116.476 20.907,117.59 16.942,117.59 16.354,117.59 12.34,113.577 9.572,110.808 1.988,110.808 ; 62.84,115.735 62.84,140.11 ; 72.54,112.309 72.54,115.359 73.565,116.384 ; 73.565,116.41 73.565,140.269 ; 82.14,112.31 82.14,115.404 ; 82.14,115.379 83.165,116.404 83.165,140.269 ; 91.449,111.612 91.449,114.706 92.474,115.731 92.474,140.289 ; 101.099,111.612 101.099,114.706 102.124,115.731 102.124,140.15 ; 110.749,111.38 110.749,115.162 110.965,115.379 111.99,116.404 111.99,140.051 ; 126.015,93.372 126.015,98.552 131.666,98.552 131.666,93.372 126.015,93.372 ; 136.772,93.27 136.772,98.45 142.423,98.45 142.423,93.27 136.772,93.27 ; 147.948,93.271 147.948,98.45 153.599,98.45 153.599,93.271 147.948,93.271

## Silkscreen, mask and mechanical layers (free items; w line width, h text height)
Top Overlay:
  circle w0.305: c109.347,116.129 r0.152
  circle w0.305: c99.771,116.129 r0.152
  circle w0.305: c90.196,116.129 r0.152
  circle w0.305: c80.836,116.826 r0.152
  circle w0.305: c109.003,115.024 r0.152
  circle w0.305: c99.427,115.024 r0.152
  circle w0.305: c89.851,115.024 r0.152
  circle w0.305: c80.492,115.722 r0.152
  circle w0.305: c108.173,117.405 r0.152
  circle w0.305: c98.597,117.405 r0.152
  circle w0.305: c89.021,117.405 r0.152
  circle w0.305: c79.662,118.103 r0.152
  circle w0.127: c1.975,111.676 r0.127
  circle w0.305: c71.26,116.801 r0.152
  circle w0.127: c21.649,133.081 r1.293
  circle w0.61: c63.373,85.875 r0.254
  circle w0.127: c21.507,133.219 r1.067
  rectangle: 33.859,124.761 61.324,133.19
  lines w0.127: 28.546,102.404 28.877,102.799
  lines w0.254: -3.8,94.601 11.125,94.601 ; -3.8,106.426 11.975,106.426 11.975,94.601
  text "THERMOCOUPLES" at 81.175,136.15 h1.91
  text "Archimajor" at 20.498,135.776 h2.54
  text "1" at 68.4,134.45 h1.91
  text "2" at 77.875,134.45 h1.91
  text "3" at 87.475,134.45 h1.91
  text "4" at 96.975,134.45 h1.91
  text "5" at 106.7,134.45 h1.91
  text ".projectBoardVersion" at 29.948,134.401 h1.4
  text "UltiMachine" at 23.999,132.856 h1.78
  text "U" at 20.899,132.481 h2.29
  text "RESET" at 1.773,126.951 h1.91
  text "-" at 70.214,121.52 h1.91
  text "+" at 66.846,121.421 h1.91
  text "-" at 89.312,121.421 h1.91
  text "-" at 98.921,121.421 h1.91
  text "-" at 108.451,121.402 h1.91
  text "-" at 79.743,121.362 h1.91
  text "+" at 85.944,121.322 h1.91
  text "+" at 95.553,121.322 h1.91
  text "+" at 105.083,121.302 h1.91
  text "+" at 76.375,121.263 h1.91
  text "ERASE" at 15.423,120.776 h1.91
  text "PWR" at 0.548,116.905 h0.64
  text "R" at 4.384,114.604 h0.76
  text "T" at 4.329,113.016 h0.76
  text "MIN" at 61.853,110.188 h2.29 r90
  text "+  BED OUT  -" at 188.67,108.615 h1.91 r90
  text "HEATBED" at 164.103,104.383 h1.91 r90
  text "END" at 60.722,102.907 h1.52 r90
  text "STOPS" at 61.847,102.157 h1.52 r90
  text "FANS" at 111.839,101.51 h1.91
  text "SC1" at 18.557,100.931 h1.27
  text "1        2" at 110.927,100.064 h1.91
  text "MAX" at 61.714,97.548 h2.18 r90
  text "1-4" at 61.123,95.026 h2.29
  text "+  BED IN  -" at 188.653,92.526 h1.91 r90
  text "1-3" at 63.609,87.909 h2.29 r90
  text "SC2" at 12.382,82.831 h1.27 r90
  text "GPIO" at 46.132,82.031 h1.02
  text "THERMISTOR" at 61.973,81.551 h1.91 r90
  text "SERIAL" at 68.966,76.131 h1.91
  text "1   2   3" at 136.861,75.913 h1.91
  text "+  VPWR  -" at 188.653,75.874 h1.91 r90
  text "3        4" at 111.225,74.348 h1.91
  text "MOSFETs" at 136.386,74.269 h1.91
  text "HEATERS" at 151.918,73.139 h1.91
  text "FANS" at 111.977,72.922 h1.91
  text "+  MOT2  -" at 188.67,59.554 h1.91 r90
  text "+  MOT1  -" at 188.67,43.17 h1.91 r90
  text "5" at 98.475,4.417 h1.91
  text "7" at 140.1,4.417 h1.91
  text "1" at 15.95,4.4 h1.91
  text "2" at 36.2,4.4 h1.91
  text "3" at 56.925,4.4 h1.91
  text "4" at 77.675,4.4 h1.91
  text "6" at 119.375,4.4 h1.91
  text "8" at 160.6,4.4 h1.91
  text "STEPPER MOTORS" at 11.327,2.422 h1.91
Bottom Overlay:
  text "TMS/SWDIO" at 49.352,119.143 h0.51 r270
  text "3.3VCC" at 112.195,118.549 h0.51 r270
  text "SWO/TDO" at 45.429,118.133 h0.76 r270
  text "HTBD OUT -" at 188.656,116.904 h0.76
  text "TDI" at 41.863,114.903 h0.76 r270
  text "5V0_AUX" at 133.117,111.614 h0.51
  text "Ymin" at 81.782,110.481 h0.51
  text "VDDOUT" at 45.865,109.594 h0.51
  text "TCK/SWCLK" at 48.123,109.435 h0.76 r270
  text "Z-MIN" at 89.248,108.951 h0.76
  text "X-MIN" at 72.282,108.881 h0.76
  text "Y-MIN" at 79.368,108.887 h0.76
  text "VDDPLL" at 39.85,108.876 h0.51 r270
  text "HTBD OUT +" at 188.656,108.524 h0.76
  text "3.3VIO" at 36.65,108.076 h0.51
  text "3.3V" at 31.523,107.026 h0.51
  text "-" at 99.139,104.086 h1.02
  text "+" at 96.623,104.066 h1.02
  text "RESET" at 43.032,103.67 h0.76 r270
  text "Xmin" at 73.507,103.256 h0.51
  text "-" at 99.1,102.422 h1.02
  text "+" at 101.655,102.422 h1.02
  text "Zmax" at 83.998,101.976 h0.51
  text "GND" at 183.324,100.302 h0.76
  text "Y-MAX" at 79.9,98.101 h0.76
  text "Z-MAX" at 90.321,97.95 h0.76
  text "X-MAX" at 69.368,97.88 h0.76
  text "Ymax" at 73.632,97.806 h0.51
  text "VUSB" at 17.725,95.851 h0.51
  text "Xmax" at 65.682,95.206 h0.51
  text "VIN BED" at 186.244,92.021 h0.76
  text "TC4" at 97.432,90.056 h0.51
  text "MCCK" at 16.907,89.156 h0.51
  text "MCDA1" at 10.257,88.431 h0.51
  text "ERASE" at 92.7,87.107 h0.51
  text "TC1" at 71.719,87.048 h0.51
  text "TC2" at 80.682,86.881 h0.51
  text "TC3" at 88.207,86.531 h0.51
  text "MCCDA" at 17.382,86.431 h0.51
  text "MCDA0" at 10.632,85.806 h0.51
  text "VDD ANA" at 37.532,85.431 h0.51
  text "MCDA3" at 13.007,84.031 h0.51
  text "THERM3" at 75.504,83.917 h0.51
  text "TC2" at 61.182,83.856 h0.51
  text "THERM1" at 68.53,83.798 h0.51
  text "GND" at 183.324,83.679 h0.76
  text "5V" at 87.007,82.956 h0.76 r270
  text "GND" at 89.607,82.906 h0.76 r270
  text "UTXD" at 79.432,82.856 h0.76 r270
  text "nRST" at 84.532,82.856 h0.76 r270
  text "URXD" at 81.957,82.681 h0.76 r270
  text "MCDA2" at 17.482,81.106 h0.51
  text "5V" at 81.982,76.306 h0.76 r270
  text "GND" at 79.507,75.981 h0.76 r270
  text "3.3V" at 84.532,75.381 h0.76 r270
  text "VIN VPWR" at 186.244,75.319 h0.76
  text "ERASE" at 87.132,74.306 h0.76 r270
  text "M_nCS5" at 104.449,72.961 h0.76 r270
  text "DIR5" at 99.496,72.882 h0.76 r270
  text "STEP5" at 101.972,72.822 h0.76 r270
  text "MOSFETS, / FANS, AND LOGIC" at 188.273,72.07 h0.76
  text "5V" at 110.492,71.455 h0.76
  text "GND" at 111.462,68.92 h0.76
  text "GND" at 183.324,67.394 h0.76
  text "ENCAE" at 104.508,64.501 h0.76 r270
  text "ENCNE" at 99.476,64.383 h0.76 r270
  text "ENCBE" at 101.893,64.402 h0.76 r270
  text "VIN MOT1" at 187.005,59.014 h0.76
  text "GND" at 183.324,50.752 h0.76
  text "VIN MOT2" at 187.005,42.471 h0.76
Top Solder:
  region: 10.904,107.478 12.099,107.478 12.099,108.949 10.904,108.949 10.904,107.478
  region: 38.357,105.643 38.357,87.638 36.282,87.638 36.282,105.638
  region: 38.874,87.131 56.878,87.131 56.879,85.081 38.879,85.081
  region: 57.382,87.787 57.382,105.791 59.457,105.791 59.457,87.791 58.967,87.791
  region: 56.884,106.181 38.879,106.181 38.879,108.206 56.879,108.206
Bottom Solder:
  region: 167.082,107.928 167.082,104.397 169.394,104.397 169.394,107.928
  region: 167.082,94.466 167.082,90.935 169.394,90.935 169.394,94.466
  region: 154.574,76.918 158.105,76.918 158.105,79.229 154.574,79.229
  region: 168.036,76.918 171.567,76.918 171.567,79.229 168.036,79.229
Bot Markings:
  lines w0.254: 28.737,115.025 18.157,115.025 18.157,105.959 28.746,105.959 28.746,115.029
  text "RoHS" at 25.37,112.91 h1.02
  text "and" at 24.604,111.627 h0.76
  text "UL" at 24.268,110.017 h1.02
  text "markings" at 26.233,108.727 h0.76
BRD Outline:
  the board outline again, w0.127
Assembly Top:
  lines w0.3: -9.427,-6.368 3.125,3.475 ; 1.81,3.221 3.125,3.475 ; 2.6,2.125 3.125,3.475
  text "All Mechanical / Holes 3mm" at -17.9,-11.775 h1.52
Dims:
  drawing of 399 lines, arcs and shapes, not listed
  text "NOTES (UNLESS SPECIFIED OTHERWISE)" at 199.817,147.286 h2.03
  text "1. FABRICATE PCB IN ACCORDANCE WITH IPC-A-600 CLASS 2 (LATEST REVISION)" at 202.317,139.786 h2.03
  text "2. THE PCB MUST BE LEAD FREE ASSEMBLY PROCESS COMPATIBLE." at 202.317,132.286 h2.03
  text "MUST HANDLE MINIMUM 6 CYCLES - 260C FOR 10 SECONDS." at 207.27,128.323 h2.03
  text "3. LAMINATE AND PREPREG TO BE FR4 TG170" at 202.317,122.286 h2.03
  text "4. PLATING FINISH - BOTH SIDES ENIG GOLD PLATED" at 202.317,114.786 h2.03
  text "5. SOLDERMASK - BOTH SIDES GREEN" at 202.317,107.286 h2.03
  text "6. SOLDER SAMPLES TO BE PROVIDED" at 202.317,99.786 h2.03
  text "7. Ship as depanelized individual PCBs." at 202.317,92.286 h2.03
  text "8. SILKSCREEN - WHITE EPOXY INK, BOTH SIDES. NO SILK ON PADS" at 202.317,85.026 h2.03
  text "9. SUPPLIER MARKING - ON SOLDER SIDE" at 202.317,77.526 h2.03
  text "ADD ROHS LOGO" at 207.317,72.526 h2.03
  text "ADD UL MARKING AND ID" at 207.317,67.526 h2.03
  text "10. LAYER STACKUP - SEE DETAIL A" at 202.317,60.026 h2.03
  text "DETAIL A" at 201.682,45.9 h2.29
  text "File" at 206.254,42.09 h1.52
  text "Layer" at 214.038,41.98 h1.52
  text "Name" at 224.45,41.98 h1.52
  text "Material" at 248.066,41.98 h1.52
  text "Thickness" at 269.904,41.98 h1.52
  text "Constant" at 286.409,41.98 h1.52
  text "Board Layer Stack" at 300.884,41.98 h1.52
  text "1" at 214.038,38.932 h1.52
  text "Top Overlay" at 224.45,38.932 h1.52
  text "GTO" at 206.503,38.693 h1.52
  text "2" at 214.038,35.884 h1.52
  text "Top Solder" at 224.45,35.884 h1.52
  text "Solder Resist" at 248.066,35.884 h1.52
  text "0.40mil" at 269.904,35.884 h1.52
  text "4" at 286.409,35.884 h1.52
  text "GTS" at 206.503,35.645 h1.52
  text "3" at 214.038,32.836 h1.52
  text "Top Layer" at 224.45,32.836 h1.52
  text "Copper" at 248.066,32.836 h1.52
  text "3.07mil" at 269.904,32.836 h1.52
  text "GTL" at 206.503,32.597 h1.52
  text "4" at 214.038,29.788 h1.52
  text "Dielectric1" at 224.45,29.788 h1.52
  text "FR-4 TG170" at 248.066,29.788 h1.52
  text "4.72mil" at 269.904,29.788 h1.52
  text "4.2" at 286.409,29.788 h1.52
  text "5" at 214.038,26.74 h1.52
  text "Top GND" at 224.45,26.74 h1.52
  text "Copper" at 248.066,26.74 h1.52
  text "1.38mil" at 269.904,26.74 h1.52
  text "GP1" at 206.817,26.397 h1.52
  text "6" at 214.038,23.692 h1.52
  text "Dielectric3" at 224.45,23.692 h1.52
  text "FR-4 TG170" at 248.066,23.692 h1.52
  text "19.69mil" at 269.904,23.692 h1.52
  text "4.2" at 286.409,23.692 h1.52
  text "7" at 214.038,20.644 h1.52
  text "Power Plane" at 224.45,20.644 h1.52
  text "Copper" at 248.066,20.644 h1.52
  text "1.38mil" at 269.904,20.644 h1.52
  text "GP2" at 206.817,20.428 h1.52
  text "8" at 214.038,17.596 h1.52
  text "Dielectric 5" at 224.45,17.596 h1.52
  text "FR-4 TG170" at 248.066,17.596 h1.52
  text "9.45mil" at 269.904,17.596 h1.52
  text "4.2" at 286.409,17.596 h1.52
  text "9" at 214.038,14.548 h1.52
  text "Mid1" at 224.45,14.548 h1.52
  text "Copper" at 248.066,14.548 h1.52
  text "1.38mil" at 269.904,14.548 h1.52
  text "G1" at 208.468,14.332 h1.52
  text "10" at 214.038,11.5 h1.52
  text "Dielectric 4" at 224.45,11.5 h1.52
  text "FR-4 TG170" at 248.066,11.5 h1.52
  text "19.69mil" at 269.904,11.5 h1.52
  text "4.2" at 286.409,11.5 h1.52
  text "11" at 214.038,8.452 h1.52
  text "Bot GND" at 224.45,8.452 h1.52
  text "Copper" at 248.066,8.452 h1.52
  text "1.38mil" at 269.904,8.452 h1.52
  text "GP3" at 206.757,8.086 h1.52
  text "12" at 214.038,5.404 h1.52
  text "Dielectric2" at 224.45,5.404 h1.52
  text "FR-4 TG170" at 248.066,5.404 h1.52
  text "4.72mil" at 269.904,5.404 h1.52
  text "4.2" at 286.409,5.404 h1.52
  text "13" at 214.038,2.356 h1.52
  text "Bottom Layer" at 224.45,2.356 h1.52
  text "Copper" at 248.066,2.356 h1.52
  text "3.07mil" at 269.904,2.356 h1.52
  text "GBL" at 206.889,1.704 h1.52
  text "14" at 214.038,-0.692 h1.52
  text "Bottom Solder" at 224.45,-0.692 h1.52
  text "Solder Resist" at 248.066,-0.692 h1.52
  text "0.40mil" at 269.904,-0.692 h1.52
  text "4" at 286.409,-0.692 h1.52
  text "GBS" at 206.635,-1.217 h1.52
  text "15" at 214.038,-3.74 h1.52
  text "Bottom Overlay" at 224.45,-3.74 h1.52
  text "GBO" at 206.635,-4.138 h1.52

## Dimensions
5,135 to 0,140 on Assembly Top
3.35,72.46 to 5,135 on Assembly Top
5,5 to 3.35,72.46 on Assembly Top
0,0 to 5,5 on Assembly Top
185,135 to 190,140 on Assembly Top
117,135 to 185,135 on Assembly Top
5,135 to 117,135 on Assembly Top
5,135 to 0,140 on Assembly Top
185,5 to 190,0 on Assembly Top
89,5 to 185,5 on Assembly Top
5,5 to 89,5 on Assembly Top
0,0 to 5,5 on Assembly Top
0,0 to 0,140 on Assembly Top
0,0 to 190,0 on Assembly Top

## Text inside footprints (layer, text, board x,y; h text height)
J3: Top Overlay "1" at 172.899,39.4 h1.52 r90
J5: Mechanical 8 "1" at 71.615,108.433 h1.57 r180
J6: Mechanical 8 "1" at 82.042,108.433 h1.57 r180
J7: Mechanical 8 "1" at 92.469,108.433 h1.57 r180
J9: Mechanical 8 "1" at 63.36,99.162 h1.57
J10: Mechanical 8 "1" at 73.787,99.162 h1.57
J11: Mechanical 8 "1" at 84.214,99.162 h1.57
J12: Top Overlay "1" at 15.824,94.373 h1.27
J13: Top Overlay "1" at 15.824,84.849 h1.27
J14: Mechanical 8 "1" at 64.783,87.834 h1.57
J15: Mechanical 8 "1" at 72.834,87.834 h1.57
J16: Mechanical 8 "1" at 80.835,87.834 h1.57
J20: Top Overlay "1" at 50.1,80.726 h0.76
J22: Mechanical 8 "1" at 118.387,87.407 h1.57 r90
J28: Top Overlay "1" at 78.614,75.081 h1.27 r90
J29: Mechanical 8 "1" at 109.162,95.687 h1.57 r270
J30: Mechanical 8 "1" at 118.387,76.872 h1.57 r90
J31: Mechanical 8 "1" at 109.162,85.127 h1.57 r270
J32: Mechanical 8 "1" at 94.687,99.162 h1.57
J33: Mechanical 8 "1" at 102.942,108.433 h1.57 r180
P2A: Top Overlay "1" at 26.35,71.218 h1.27
P2B: Top Overlay "1" at 45.092,73.476 h1.27
P2C: Top Overlay "1" at 57.356,71.812 h1.27
P2D: Top Overlay "1" at 94.384,72.565 h1.27
P2E: Top Overlay "1" at 109.402,71.238 h1.27
P2F: Top Overlay "1" at 130.264,71.555 h1.27
P2G: Top Overlay "1" at 151.126,71.257 h1.27
P2H: Top Overlay "1" at 171.572,71.257 h1.27
U11: Top Overlay "R" at 46.572,92.897 h0.94 r270; Top Overlay "TQFP 144" at 45.162,99.11 h1.26 r270